# KiCad board badge.kicad_pcb (continued)
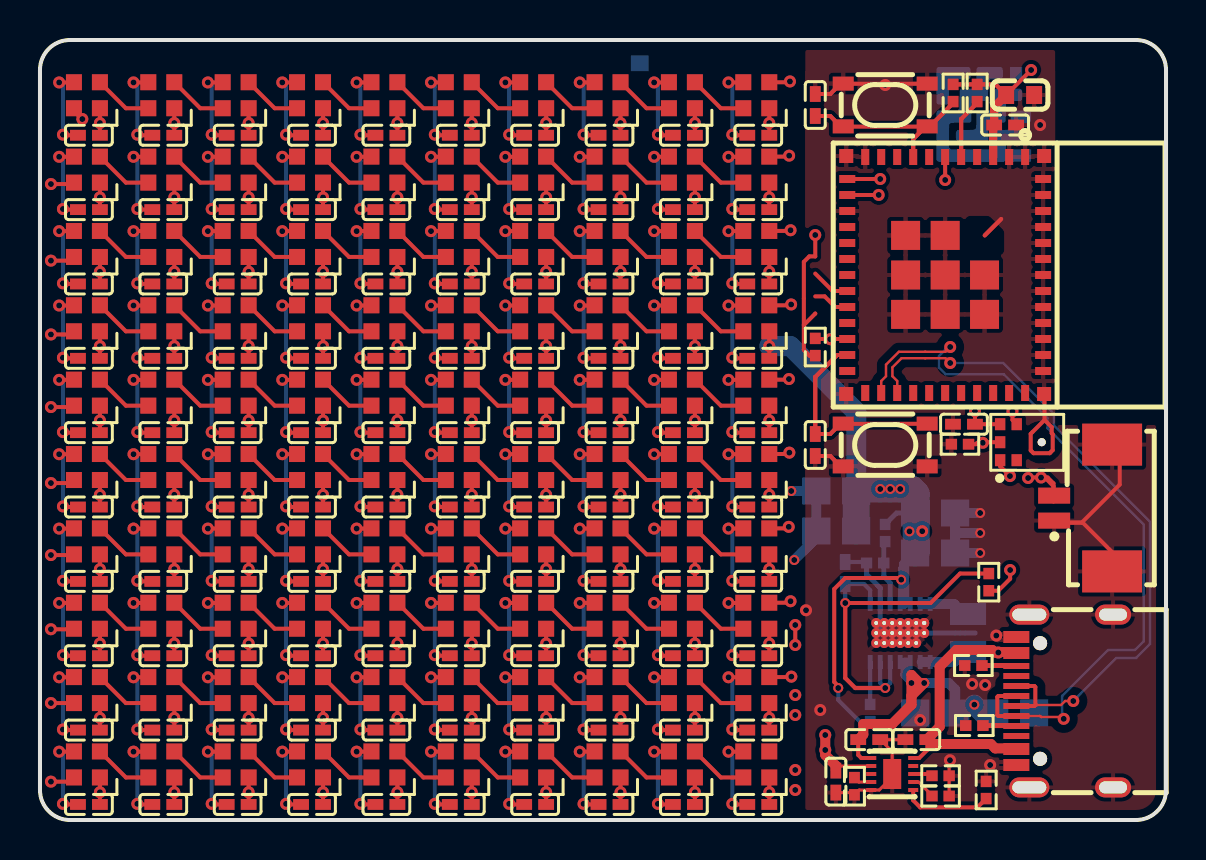
[diagram p0: board, top side]
## Routing (per net, layer and track width the routed paths; a pad name or vN(x,y) marks a point on that pad's centre or on a via; arc(x,y) is an arc through that point)
gnd: length 477.9
  Top w0.15: C114.2 C115.2 42.64,3.42 U5.11 42.64,2.15 41.99,1.5 U5.5 40.99,1.5 R11.2 40.64,1.37 C113.2 ; R12.2 R4.2 45.49,2.95 v1(45.53,2.99)
  Top w0.2: v1(19.75,0.81) 19.78,0.78 C100.2 ; v1(0.96,7.14) 1.69,7.14 LED81.3 ; C26.2 4.9,26.8 v1(4.87,26.83) ; LED38.3 27.74,25.72 v1(27.01,25.72) ; C68.2 12.34,11.93 v1(12.31,11.96) ; C86.2 4.9,4.5 v1(4.87,4.53) ; LED93.3 9.13,3.42 v1(8.4,3.42) ; C29.2 16.06,26.8 v1(16.03,26.83) ; v1(23.48,19.4) 23.51,19.37 C51.2 ; v1(12.31,8.24) 12.34,8.21 C78.2 ; C88.2 12.34,4.5 v1(12.31,4.53) ; v1(19.75,19.4) 19.78,19.37 C50.2 ; v1(8.59,19.4) 8.62,19.37 C47.2 ; v1(4.87,19.4) 4.9,19.37 C46.2 ; v1(34.64,4.53) 34.67,4.5 C94.2 ; LED21.3 1.69,29.44 v1(0.96,29.44) ; v1(1.15,4.53) 1.18,4.5 C85.2 ; LED75.3 16.57,10.85 v1(15.84,10.85) ; 54.02,12.33 54.02,13.02 52.17,14.87 51.12,14.87 52.12,14.87 54.02,16.77 54.02,18.67 ; LED66.3 20.29,14.57 v1(19.56,14.57) ; LED89.3 31.46,7.14 v1(30.73,7.14) ; C81.2 23.51,8.21 v1(23.48,8.24) ; v1(34.64,8.24) 34.67,8.21 C84.2 ; C55.2 1.18,15.65 v1(1.15,15.68) ; C22.2 27.23,30.52 v1(27.2,30.55) ; LED13.3 9.13,33.16 v1(8.4,33.16) ; v1(4.68,29.44) 5.41,29.44 LED22.3 ; LED50.3 35.18,22.01 v1(34.45,22.01) ; LED48.3 27.74,22.01 v1(27.01,22.01) ; C36.2 4.9,23.08 v1(4.87,23.11) ; C66.2 4.9,11.93 v1(4.87,11.96) ; C27.2 8.62,26.8 v1(8.59,26.83) ; C59.2 16.06,15.65 v1(16.03,15.68) ; C93.2 30.95,4.5 v1(30.92,4.53) ; C9.2 16.06,34.24 v1(16.03,34.27) ; v1(4.68,10.85) 5.41,10.85 LED72.3 ; v1(8.59,15.68) 8.62,15.65 C57.2 ; C53.2 30.95,19.37 v1(30.92,19.4) ; v1(8.59,30.55) 8.62,30.52 C17.2 ; v1(23.48,11.96) 23.51,11.93 C71.2 ; LED73.3 9.13,10.85 v1(8.4,10.85) ; LED43.3 9.13,22.01 v1(8.4,22.01) ; C96.2 4.9,0.78 v1(4.87,0.81) ; LED70.3 35.18,14.57 v1(34.45,14.57) ; v1(19.75,8.24) 19.78,8.21 C80.2 ; v1(19.75,34.27) 19.78,34.24 C10.2 ; v1(1.15,34.27) 1.18,34.24 C5.2 ; v1(1.15,23.11) 1.18,23.08 C35.2 ; v1(19.75,26.83) 19.78,26.8 C30.2 ; v1(34.64,15.68) 34.67,15.65 C64.2 ; 50.26,20 50.62,19.64 U3.3 50.67,19.29 50.67,18.49 U3.3 50.52,18.34 49.71,18.34 U3.3 49.57,18.48 49.57,19.31 U3.3 50.26,20 ; 50.26,20 50.26,21.29 ; C20.2 19.78,30.52 v1(19.75,30.55) ; LED23.3 9.13,29.44 v1(8.4,29.44) ; LED64.3 12.85,14.57 v1(12.12,14.57) ; LED97.3 24.02,3.42 v1(23.29,3.42) ; LED36.3 20.29,25.72 v1(19.56,25.72) ; C14.2 34.67,34.24 v1(34.64,34.27) ; C34.2 34.67,26.8 v1(34.64,26.83) ; LED77.3 24.02,10.85 v1(23.29,10.85) ; 39.54,18.2 C106.1 39.54,18.2 ; 39.54,18.2 40.06,17.68 ; 39.54,18.2 40.06,17.68 ; LED91.3 1.69,3.42 v1(0.96,3.42) ; LED54.3 12.85,18.29 v1(12.12,18.29) ; v1(19.56,22.01) 20.29,22.01 LED46.3 ; v1(34.45,18.29) 35.18,18.29 LED60.3 ; v1(4.68,14.57) 5.41,14.57 LED62.3 ; C83.2 30.95,8.21 v1(30.92,8.24) ; LED79.3 31.46,10.85 v1(30.73,10.85) ; LED11.3 1.69,33.16 v1(0.96,33.16) ; LED14.3 12.85,33.16 v1(12.12,33.16) ; LED39.3 31.46,25.72 v1(30.73,25.72) ; v1(27.01,3.42) 27.74,3.42 LED98.3 ; v1(27.2,4.53) 27.23,4.5 C92.2 ; v1(27.2,19.4) 27.23,19.37 C52.2 ; v1(12.31,34.27) 12.34,34.24 C8.2 ; C38.2 12.34,23.08 v1(12.31,23.11) ; LED100.3 35.18,3.42 v1(34.45,3.42) ; LED80.3 35.18,10.85 v1(34.45,10.85) ; v1(34.45,7.14) 35.18,7.14 LED90.3 ; v1(34.45,36.88) 35.18,36.88 LED10.3 ; v1(8.59,0.81) 8.62,0.78 C97.2 ; C37.2 8.62,23.08 v1(8.59,23.11) ; v1(34.45,29.44) 35.18,29.44 LED30.3 ; C74.2 34.67,11.93 v1(34.64,11.96) ; v1(12.12,36.88) 12.85,36.88 LED4.3 ; v1(27.2,15.68) 27.23,15.65 C62.2 ; v1(16.03,0.81) 16.06,0.78 C99.2 ; 40.06,36.82 39.54,36.3 ; 40.06,36.82 SW2.1 40.06,36.82 ; 40.06,36.82 39.54,36.3 ; 39.54,36.3 C107.1 39.54,36.3 ; v1(12.31,19.4) 12.34,19.37 C48.2 ; LED63.3 9.13,14.57 v1(8.4,14.57) ; v1(0.96,25.72) 1.69,25.72 LED31.3 ; v1(30.92,0.81) 30.95,0.78 C103.2 ; v1(19.56,33.16) 20.29,33.16 LED16.3 ; v1(16.03,8.24) 16.06,8.21 C79.2 ; v1(12.12,22.01) 12.85,22.01 LED44.3 ; LED57.3 24.02,18.29 v1(23.29,18.29) ; LED5.3 16.57,36.88 v1(15.84,36.88) ; C28.2 12.34,26.8 v1(12.31,26.83) ; v1(12.12,10.85) 12.85,10.85 LED74.3 ; v1(12.12,3.42) 12.85,3.42 LED94.3 ; v1(19.56,36.88) 20.29,36.88 LED6.3 ; LED83.3 9.13,7.14 v1(8.4,7.14) ; v1(0.96,18.29) 1.69,18.29 LED51.3 ; LED29.3 31.46,29.44 v1(30.73,29.44) ; C24.2 34.67,30.52 v1(34.64,30.55) ; LED7.3 24.02,36.88 v1(23.29,36.88) ; LED34.3 12.85,25.72 v1(12.12,25.72) ; v1(30.73,22.01) 31.46,22.01 LED49.3 ; v1(4.87,8.24) 4.9,8.21 C76.2 ; v1(0.96,10.85) 1.69,10.85 LED71.3 ; C31.2 23.51,26.8 v1(23.48,26.83) ; LED32.3 5.41,25.72 v1(4.68,25.72) ; C75.2 1.18,8.21 v1(1.15,8.24) ; C40.2 19.78,23.08 v1(19.75,23.11) ; v1(27.01,29.44) 27.74,29.44 LED28.3 ; v1(23.29,29.44) 24.02,29.44 LED27.3 ; LED59.3 31.46,18.29 v1(30.73,18.29) ; v1(4.68,22.01) 5.41,22.01 LED42.3 ; LED87.3 24.02,7.14 v1(23.29,7.14) ; v1(23.29,22.01) 24.02,22.01 LED47.3 ; v1(8.59,34.27) 8.62,34.24 C7.2 ; v1(30.73,33.16) 31.46,33.16 LED19.3 ; LED41.3 1.69,22.01 v1(0.96,22.01) ; LED40.3 35.18,25.72 v1(34.45,25.72) ; C43.2 30.95,23.08 v1(30.92,23.11) ; v1(8.59,11.96) 8.62,11.93 C67.2 ; v1(8.4,18.29) 9.13,18.29 LED53.3 ; v1(12.12,29.44) 12.85,29.44 LED24.3 ; v1(15.84,29.44) 16.57,29.44 LED25.3 ; v1(30.92,26.83) 30.95,26.8 C33.2 ; LED52.3 5.41,18.29 v1(4.68,18.29) ; v1(12.31,0.81) 12.34,0.78 C98.2 ; v1(4.68,33.16) 5.41,33.16 LED12.3 ; v1(15.84,3.42) 16.57,3.42 LED95.3 ; C15.2 1.18,30.52 v1(1.15,30.55) ; v1(16.03,30.55) 16.06,30.52 C19.2 ; v1(19.56,18.29) 20.29,18.29 LED56.3 ; C95.2 1.18,0.78 v1(1.15,0.81) ; v1(0.96,14.57) 1.69,14.57 LED61.3 ; v1(15.84,18.29) 16.57,18.29 LED55.3 ; v1(8.4,36.88) 9.13,36.88 LED3.3 ; C73.2 30.95,11.93 v1(30.92,11.96) ; v1(19.56,29.44) 20.29,29.44 LED26.3 ; v1(23.48,15.68) 23.51,15.65 C61.2 ; C42.2 27.23,23.08 v1(27.2,23.11) ; v1(30.73,3.42) 31.46,3.42 LED99.3 ; LED58.3 27.74,18.29 v1(27.01,18.29) ; 40.06,17.68 SW1.2 40.06,17.68 ; v1(8.59,4.53) 8.62,4.5 C87.2 ; v1(27.2,0.81) 27.23,0.78 C102.2 ; v1(30.92,34.27) 30.95,34.24 C13.2 ; v1(16.03,4.53) 16.06,4.5 C89.2 ; LED2.3 5.41,36.88 v1(4.68,36.88) ; v1(4.68,3.42) 5.41,3.42 LED92.3 ; v1(27.2,26.83) 27.23,26.8 C32.2 ; LED96.3 20.29,3.42 v1(19.56,3.42) ; 50.13,15.15 50.6,15.15 ; C58.2 12.34,15.65 v1(12.31,15.68) ; C90.2 19.78,4.5 v1(19.75,4.53) ; v1(27.2,8.24) 27.23,8.21 C82.2 ; C91.2 23.51,4.5 v1(23.48,4.53) ; v1(23.48,0.81) 23.51,0.78 C101.2 ; v1(30.92,15.68) 30.95,15.65 C63.2 ; C44.2 34.67,23.08 v1(34.64,23.11) ; C11.2 23.51,34.24 v1(23.48,34.27) ; C18.2 12.34,30.52 v1(12.31,30.55) ; v1(16.03,19.4) 16.06,19.37 C49.2 ; v1(15.84,33.16) 16.57,33.16 LED15.3 ; C12.2 27.23,34.24 v1(27.2,34.27) ; C21.2 23.51,30.52 v1(23.48,30.55) ; v1(4.87,34.27) 4.9,34.24 C6.2 ; LED20.3 35.18,33.16 v1(34.45,33.16) ; v1(27.2,11.96) 27.23,11.93 C72.2 ; LED84.3 12.85,7.14 v1(12.12,7.14) ; LED18.3 27.74,33.16 v1(27.01,33.16) ; C69.2 16.06,11.93 v1(16.03,11.96) ; LED68.3 27.74,14.57 v1(27.01,14.57) ; v1(30.73,36.88) 31.46,36.88 LED9.3 ; v1(8.59,8.24) 8.62,8.21 C77.2 ; C54.2 34.67,19.37 v1(34.64,19.4) ; v1(8.4,25.72) 9.13,25.72 LED33.3 ; C39.2 16.06,23.08 v1(16.03,23.11) ; v1(23.48,23.11) 23.51,23.08 C41.2 ; C25.2 1.18,26.8 v1(1.15,26.83) ; LED37.3 24.02,25.72 v1(23.29,25.72) ; LED78.3 27.74,10.85 v1(27.01,10.85) ; C23.2 30.95,30.52 v1(30.92,30.55) ; v1(15.84,25.72) 16.57,25.72 LED35.3 ; C16.2 4.9,30.52 v1(4.87,30.55) ; v1(15.84,22.01) 16.57,22.01 LED45.3 ; LED17.3 24.02,33.16 v1(23.29,33.16) ; LED69.3 31.46,14.57 v1(30.73,14.57) ; LED65.3 16.57,14.57 v1(15.84,14.57) ; v1(34.64,0.81) 34.67,0.78 C104.2 ; v1(19.56,7.14) 20.29,7.14 LED86.3 ; LED8.3 27.74,36.88 v1(27.01,36.88) ; v1(0.96,36.88) 1.69,36.88 LED1.3 ; v1(15.84,7.14) 16.57,7.14 LED85.3 ; v1(23.29,14.57) 24.02,14.57 LED67.3 ; v1(27.01,7.14) 27.74,7.14 LED88.3 ; C65.2 1.18,11.93 v1(1.15,11.96) ; C60.2 19.78,15.65 v1(19.75,15.68) ; C56.2 4.9,15.65 v1(4.87,15.68) ; C45.2 1.18,19.37 v1(1.15,19.4) ; C70.2 19.78,11.93 v1(19.75,11.96) ; 40.21,36.81 44.41,36.81 ; v1(4.68,7.14) 5.41,7.14 LED82.3 ; LED76.3 20.29,10.85 v1(19.56,10.85) ; U4.49 48.09,30.05 U4.49
  Bottom w0.2: v1(12.31,23.11) 12.31,25.53 v1(12.12,25.72) ; v1(30.92,4.53) 30.92,6.95 v1(30.73,7.14) ; v1(27.2,4.53) 27.2,6.95 v1(27.01,7.14) ; v1(23.48,15.68) 23.48,18.1 v1(23.29,18.29) ; v1(8.4,10.85) 8.59,10.66 v1(8.59,8.24) ; v1(27.2,30.55) 27.2,32.97 v1(27.01,33.16) ; v1(8.59,19.4) 8.59,21.82 v1(8.4,22.01) ; v1(16.03,26.83) 16.03,29.25 v1(15.84,29.44) ; v1(30.92,26.83) 30.92,29.25 v1(30.73,29.44) ; v1(23.29,14.57) 23.48,14.38 v1(23.48,11.96) ; v1(8.59,11.96) 8.59,14.38 v1(8.4,14.57) ; v1(19.75,30.55) 19.75,32.97 v1(19.56,33.16) ; v1(4.87,34.27) 4.87,36.69 v1(4.68,36.88) ; v1(19.56,22.01) 19.75,21.82 v1(19.75,19.4) ; v1(23.29,33.16) 23.48,32.97 v1(23.48,30.55) ; v1(30.73,18.29) 30.92,18.1 v1(30.92,15.68) ; v1(8.59,34.27) 8.59,36.69 v1(8.4,36.88) ; v1(1.15,19.4) 1.15,21.82 v1(0.96,22.01) ; v1(1.15,15.68) 1.15,18.1 v1(0.96,18.29) ; v1(34.64,4.53) 34.64,6.95 v1(34.45,7.14) ; v1(23.29,7.14) 23.48,6.95 v1(23.48,4.53) ; v1(1.15,11.96) 1.15,14.38 v1(0.96,14.57) ; v1(34.45,3.42) 34.64,3.23 v1(34.64,0.81) ; v1(12.12,36.88) 12.31,36.69 v1(12.31,34.27) ; v1(16.03,30.55) 16.03,32.97 v1(15.84,33.16) ; v1(34.45,10.85) 34.64,10.66 v1(34.64,8.24) ; v1(19.56,29.44) 19.75,29.25 v1(19.75,26.83) ; v1(4.68,29.44) 4.87,29.25 v1(4.87,26.83) ; v1(8.59,26.83) 8.59,29.25 v1(8.4,29.44) ; v1(8.4,18.29) 8.59,18.1 v1(8.59,15.68) ; v1(12.12,29.44) 12.31,29.25 v1(12.31,26.83) ; v1(19.56,10.85) 19.75,10.66 v1(19.75,8.24) ; v1(4.87,0.81) 4.87,3.23 v1(4.68,3.42) ; v1(27.2,26.83) 27.2,29.25 v1(27.01,29.44) ; v1(12.31,30.55) 12.31,32.97 v1(12.12,33.16) ; v1(27.2,23.11) 27.2,25.53 v1(27.01,25.72) ; v1(19.56,14.57) 19.75,14.38 v1(19.75,11.96) ; v1(12.12,10.85) 12.31,10.66 v1(12.31,8.24) ; v1(0.96,3.42) 1.15,3.23 v1(1.15,0.81) ; v1(0.96,7.14) 1.15,6.95 v1(1.15,4.53) ; v1(27.01,36.88) 27.2,36.69 v1(27.2,34.27) ; v1(27.2,11.96) 27.2,14.38 v1(27.01,14.57) ; v1(16.03,8.24) 16.03,10.66 v1(15.84,10.85) ; v1(34.64,34.27) 34.64,36.69 v1(34.45,36.88) ; v1(4.68,22.01) 4.87,21.82 v1(4.87,19.4) ; v1(1.15,34.27) 1.15,36.69 v1(0.96,36.88) ; v1(15.84,14.57) 16.03,14.38 v1(16.03,11.96) ; v1(8.59,4.53) 8.59,6.95 v1(8.4,7.14) ; v1(15.84,22.01) 16.03,21.82 v1(16.03,19.4) ; v1(27.2,19.4) 27.2,21.82 v1(27.01,22.01) ; v1(27.01,10.85) 27.2,10.66 v1(27.2,8.24) ; v1(34.64,19.4) 34.64,21.82 v1(34.45,22.01) ; v1(4.87,15.68) 4.87,18.1 v1(4.68,18.29) ; v1(30.73,10.85) 30.92,10.66 v1(30.92,8.24) ; v1(15.84,36.88) 16.03,36.69 v1(16.03,34.27) ; v1(12.12,3.42) 12.31,3.23 v1(12.31,0.81) ; v1(34.64,11.96) 34.64,14.38 v1(34.45,14.57) ; v1(30.92,0.81) 30.92,3.23 v1(30.73,3.42) ; v1(27.01,3.42) 27.2,3.23 v1(27.2,0.81) ; v1(23.29,22.01) 23.48,21.82 v1(23.48,19.4) ; v1(0.96,29.44) 1.15,29.25 v1(1.15,26.83) ; v1(8.59,0.81) 8.59,3.23 v1(8.4,3.42) ; v1(4.68,10.85) 4.87,10.66 v1(4.87,8.24) ; v1(4.87,4.53) 4.87,6.95 v1(4.68,7.14) ; v1(30.92,19.4) 30.92,21.82 v1(30.73,22.01) ; v1(34.45,18.29) 34.64,18.1 v1(34.64,15.68) ; v1(23.29,10.85) 23.48,10.66 v1(23.48,8.24) ; v1(23.29,3.42) 23.48,3.23 v1(23.48,0.81) ; v1(12.31,4.53) 12.31,6.95 v1(12.12,7.14) ; v1(19.75,34.27) 19.75,36.69 v1(19.56,36.88) ; v1(23.48,23.11) 23.48,25.53 v1(23.29,25.72) ; v1(4.68,25.72) 4.87,25.53 v1(4.87,23.11) ; v1(19.56,25.72) 19.75,25.53 v1(19.75,23.11) ; v1(12.12,14.57) 12.31,14.38 v1(12.31,11.96) ; v1(8.4,33.16) 8.59,32.97 v1(8.59,30.55) ; v1(30.73,36.88) 30.92,36.69 v1(30.92,34.27) ; v1(8.59,23.11) 8.59,25.53 v1(8.4,25.72) ; v1(19.75,4.53) 19.75,6.95 v1(19.56,7.14) ; v1(16.03,23.11) 16.03,25.53 v1(15.84,25.72) ; v1(12.12,22.01) 12.31,21.82 v1(12.31,19.4) ; v1(16.03,15.68) 16.03,18.1 v1(15.84,18.29) ; v1(0.96,25.72) 1.15,25.53 v1(1.15,23.11) ; v1(27.01,18.29) 27.2,18.1 v1(27.2,15.68) ; v1(30.92,30.55) 30.92,32.97 v1(30.73,33.16) ; v1(34.45,33.16) 34.64,32.97 v1(34.64,30.55) ; v1(15.84,7.14) 16.03,6.95 v1(16.03,4.53) ; v1(16.03,0.81) 16.03,3.23 v1(15.84,3.42) ; v1(4.68,14.57) 4.87,14.38 v1(4.87,11.96) ; v1(23.48,34.27) 23.48,36.69 v1(23.29,36.88) ; v1(4.87,30.55) 4.87,32.97 v1(4.68,33.16) ; v1(34.45,25.72) 34.64,25.53 v1(34.64,23.11) ; v1(1.15,30.55) 1.15,32.97 v1(0.96,33.16) ; v1(34.45,29.44) 34.64,29.25 v1(34.64,26.83) ; v1(23.48,26.83) 23.48,29.25 v1(23.29,29.44) ; v1(0.96,10.85) 1.15,10.66 v1(1.15,8.24) ; v1(30.92,23.11) 30.92,25.53 v1(30.73,25.72) ; v1(30.73,14.57) 30.92,14.38 v1(30.92,11.96) ; v1(19.56,3.42) 19.75,3.23 v1(19.75,0.81) ; v1(12.12,18.29) 12.31,18.1 v1(12.31,15.68) ; v1(19.75,15.68) 19.75,18.1 v1(19.56,18.29)
  Bottom w0.21: R1.2 41.31,12.9 C112.2
  Bottom w0.25: R1.2 41.36,12.28 42.04,11.6 U6.2 42.04,9.35 U6.15 46.79,9.35
  Bottom w0.5: v2(47.04,15.35) C110.2 C111.2 v2(47.04,13.35) ; v2(37.74,13) 38.84,14.1 C3.2 C4.2 v2(37.59,16.45) ; 45.79,14.35 v2(47.04,14.35)
  vias: v1(38.33,10.49) v1(39.04,5.5) v1(42.29,36.75) v1(44.04,5) v1(46.64,6.8) v1(47.29,6.75) v1(47.54,2.75) v1(47.85,9.22) v1(50.04,34.75)
VCC: length 19.6
  Top w0.2: R6.1 46.03,12.32 44.56,10.85 v2(40.29,10.85)
  Top w0.21: v2(42.29,6.6) 40.79,6.6 40.29,7.1 v2(40.29,10.85)
  Bottom w0.21: U6.1 41.54,11.49 41.23,11.8 C112.1 v2(40.29,10.85) ; U6.13 42.04,6.85 v2(42.29,6.6) 42.54,6.85 U6.12
A5: length 1.6
  Top w0.25: USB1.A5 48.83,4.72 47.26,4.72
B5: length 1.6
  Top w0.25: 47.21,7.72 48.83,7.72 USB1.B5
data_1: length 6.2
  Top w0.2: 46.89,35.85 46.09,35.05 ; 46.89,35.85 R7.1 46.89,35.85 ; 46.89,35.85 46.09,35.05 ; 46.09,35.05 U4.5 46.09,35.05
data_2: length 2
  Top w0.2: 38.79,27.32 39.66,26.45 U4.19
data_3: length 0
  Top w0.2: 40.42,27.25 40.41,27.24
i2s_sck: length 17.3
  Top w0.2: v1(42.04,32.05) U4.12 ; U3.4 48.66,20 v1(48.66,20.44)
  In1.Cu w0.2: v1(42.04,32.05) 42.99,32.05 45.31,29.73 45.31,27.23 48.66,23.88 v1(48.66,20.44)
i2s_sd: length 17.7
  Top w0.2: U3.6 47.33,18.89 47.3,18.86 v1(47.17,18.86) 46.9,18.86 46.83,18.79 R5.1 ; U4.13 41.77,31.25 41.77,31.25 v1(41.96,31.25)
  In1.Cu w0.2: v1(47.17,18.86) 46.97,19.06 46.97,19.07 43.94,22.1 43.94,23.67 42.49,25.12 42.49,25.5 42.02,25.97 42.02,31.2 v1(41.96,31.25)
i2s_ws: length 19.3
  Top w0.2: v1(48.53,17.2) 48.04,17.69 U3.1 ; U4.6 v1(45.29,32)
  In1.Cu w0.2: v1(45.29,32) 49.79,27.5 49.79,20.25 48.53,18.99 v1(48.53,17.2)
ILIM_VSET: length 1.2
  Top w0.15: R12.1 44.63,1.23 43.96,1.9 U5.7
ISET: length 1
  Top w0.2: U5.8 44.42,2.3 44.58,2.14
L1: length 2.5
  Bottom w0.5: L1.1 46.24,8.4 45.74,7.9 44.12,7.9
L2: length 2.5
  Bottom w0.5: 44.12,10.8 U6.7 45.74,10.8 46.24,10.3 L1.2
led_data: length 54.9
  Top w0.2: 38.82,24.05 R8.1 38.82,24.05 ; 38.82,24.05 U4.22 38.82,24.05 ; LED1.4 1.7,35.44 2.09,35.05 v1(2.12,35.05)
  In1.Cu w0.2: v1(2.12,35.05) 2.92,35.85 35.6,35.85 37.27,37.53 37.77,37.53 39.54,35.76 v1(39.54,24.04)
leds[1]-data_in-DIN-0: length 3
  Top w0.2: LED1.2 4.3,35.59 LED2.4
leds[1]-data_in-DIN-1: length 3
  Top w0.2: LED11.2 4.3,31.87 LED12.4
leds[1]-data_in-DIN-2: length 3
  Top w0.2: LED22.4 4.3,28.15 LED21.2
leds[1]-data_in-DIN-3: length 3
  Top w0.2: LED32.4 4.3,24.43 LED31.2
leds[1]-data_in-DIN-4: length 3
  Top w0.2: LED42.4 4.3,20.72 LED41.2
leds[1]-data_in-DIN-5: length 3
  Top w0.2: LED52.4 4.3,17 LED51.2
leds[1]-data_in-DIN-6: length 3
  Top w0.2: LED62.4 4.3,13.28 LED61.2
leds[1]-data_in-DIN-7: length 3
  Top w0.2: LED72.4 4.3,9.56 LED71.2
leds[1]-data_in-DIN-8: length 3
  Top w0.2: LED81.2 4.3,5.85 LED82.4
leds[1]-data_in-DIN-9: length 3
  Top w0.2: LED91.2 4.3,2.13 LED92.4
leds[2]-data_in-DIN-0: length 3
  Top w0.2: LED2.2 8.02,35.59 LED3.4
leds[2]-data_in-DIN-1: length 3
  Top w0.2: LED12.2 8.02,31.87 LED13.4
leds[2]-data_in-DIN-2: length 3
  Top w0.2: LED22.2 8.02,28.15 LED23.4
leds[2]-data_in-DIN-3: length 3
  Top w0.2: LED32.2 8.02,24.43 LED33.4
leds[2]-data_in-DIN-4: length 3
  Top w0.2: LED42.2 8.02,20.72 LED43.4
leds[2]-data_in-DIN-5: length 3
  Top w0.2: LED52.2 8.02,17 LED53.4
leds[2]-data_in-DIN-6: length 3
  Top w0.2: LED62.2 8.02,13.28 LED63.4
leds[2]-data_in-DIN-7: length 3
  Top w0.2: LED72.2 8.02,9.56 LED73.4
leds[2]-data_in-DIN-8: length 3
  Top w0.2: LED83.4 8.02,5.85 LED82.2
leds[2]-data_in-DIN-9: length 3
  Top w0.2: LED92.2 8.02,2.13 LED93.4
leds[3]-data_in-DIN-0: length 3
  Top w0.2: LED3.2 11.74,35.59 LED4.4
leds[3]-data_in-DIN-1: length 3
  Top w0.2: LED14.4 11.74,31.87 LED13.2
leds[3]-data_in-DIN-2: length 3
  Top w0.2: LED23.2 11.74,28.15 LED24.4
leds[3]-data_in-DIN-3: length 3
  Top w0.2: LED33.2 11.74,24.43 LED34.4
leds[3]-data_in-DIN-4: length 3
  Top w0.2: LED43.2 11.74,20.72 LED44.4
leds[3]-data_in-DIN-5: length 3
  Top w0.2: LED54.4 11.74,17 LED53.2
leds[3]-data_in-DIN-6: length 3
  Top w0.2: LED63.2 11.74,13.28 LED64.4
leds[3]-data_in-DIN-7: length 3
  Top w0.2: LED74.4 11.74,9.56 LED73.2
leds[3]-data_in-DIN-8: length 3
  Top w0.2: LED84.4 11.74,5.85 LED83.2
leds[3]-data_in-DIN-9: length 3
  Top w0.2: LED94.4 11.74,2.13 LED93.2
leds[4]-data_in-DIN-0: length 3
  Top w0.2: LED4.2 15.46,35.59 LED5.4
leds[4]-data_in-DIN-1: length 3
  Top w0.2: LED14.2 15.46,31.87 LED15.4
leds[4]-data_in-DIN-2: length 3
  Top w0.2: LED24.2 15.46,28.15 LED25.4
leds[4]-data_in-DIN-3: length 3
  Top w0.2: LED34.2 15.46,24.43 LED35.4
leds[4]-data_in-DIN-4: length 3
  Top w0.2: LED44.2 15.46,20.72 LED45.4
leds[4]-data_in-DIN-5: length 3
  Top w0.2: LED54.2 15.46,17 LED55.4
leds[4]-data_in-DIN-6: length 3
  Top w0.2: LED64.2 15.46,13.28 LED65.4
leds[4]-data_in-DIN-7: length 3
  Top w0.2: LED74.2 15.46,9.56 LED75.4
leds[4]-data_in-DIN-8: length 3
  Top w0.2: LED84.2 15.46,5.85 LED85.4
leds[4]-data_in-DIN-9: length 3
  Top w0.2: LED94.2 15.46,2.13 LED95.4
leds[5]-data_in-DIN-0: length 3
  Top w0.2: LED5.2 19.18,35.59 LED6.4
leds[5]-data_in-DIN-1: length 3
  Top w0.2: LED16.4 19.18,31.87 LED15.2
leds[5]-data_in-DIN-2: length 3
  Top w0.2: LED25.2 19.18,28.15 LED26.4
leds[5]-data_in-DIN-3: length 3
  Top w0.2: LED36.4 19.18,24.43 LED35.2
leds[5]-data_in-DIN-4: length 3
  Top w0.2: LED45.2 19.18,20.72 LED46.4
leds[5]-data_in-DIN-5: length 3
  Top w0.2: LED55.2 19.18,17 LED56.4
leds[5]-data_in-DIN-6: length 3
  Top w0.2: LED65.2 19.18,13.28 LED66.4
leds[5]-data_in-DIN-7: length 3
  Top w0.2: LED75.2 19.18,9.56 LED76.4
leds[5]-data_in-DIN-8: length 3
  Top w0.2: LED85.2 19.18,5.85 LED86.4
leds[5]-data_in-DIN-9: length 3
  Top w0.2: LED95.2 19.18,2.13 LED96.4
leds[6]-data_in-DIN-0: length 3
  Top w0.2: LED6.2 22.9,35.59 LED7.4
leds[6]-data_in-DIN-1: length 3
  Top w0.2: LED17.4 22.9,31.87 LED16.2
leds[6]-data_in-DIN-2: length 3
  Top w0.2: LED26.2 22.9,28.15 LED27.4
leds[6]-data_in-DIN-3: length 3
  Top w0.2: LED36.2 22.9,24.43 LED37.4
leds[6]-data_in-DIN-4: length 3
  Top w0.2: LED47.4 22.9,20.72 LED46.2
leds[6]-data_in-DIN-5: length 3
  Top w0.2: LED57.4 22.9,17 LED56.2
leds[6]-data_in-DIN-6: length 3
  Top w0.2: LED67.4 22.9,13.28 LED66.2
leds[6]-data_in-DIN-7: length 3
  Top w0.2: LED76.2 22.9,9.56 LED77.4
leds[6]-data_in-DIN-8: length 3
  Top w0.2: LED86.2 22.9,5.85 LED87.4
leds[6]-data_in-DIN-9: length 3
  Top w0.2: LED96.2 22.9,2.13 LED97.4
leds[7]-data_in-DIN-0: length 3
  Top w0.2: LED7.2 26.63,35.59 LED8.4
leds[7]-data_in-DIN-1: length 3
  Top w0.2: LED18.4 26.63,31.87 LED17.2
leds[7]-data_in-DIN-2: length 3
  Top w0.2: LED28.4 26.63,28.15 LED27.2
leds[7]-data_in-DIN-3: length 3
  Top w0.2: LED38.4 26.63,24.43 LED37.2
leds[7]-data_in-DIN-4: length 3
  Top w0.2: LED48.4 26.63,20.72 LED47.2
leds[7]-data_in-DIN-5: length 3
  Top w0.2: LED57.2 26.63,17 LED58.4
leds[7]-data_in-DIN-6: length 3
  Top w0.2: LED68.4 26.63,13.28 LED67.2
leds[7]-data_in-DIN-7: length 3
  Top w0.2: LED77.2 26.63,9.56 LED78.4
leds[7]-data_in-DIN-8: length 3
  Top w0.2: LED88.4 26.63,5.85 LED87.2
leds[7]-data_in-DIN-9: length 3
  Top w0.2: LED97.2 26.63,2.13 LED98.4
leds[8]-data_in-DIN-0: length 3
  Top w0.2: LED8.2 30.35,35.59 LED9.4
leds[8]-data_in-DIN-1: length 3
  Top w0.2: LED18.2 30.35,31.87 LED19.4
leds[8]-data_in-DIN-2: length 3
  Top w0.2: LED29.4 30.35,28.15 LED28.2
leds[8]-data_in-DIN-3: length 3
  Top w0.2: LED38.2 30.35,24.43 LED39.4
leds[8]-data_in-DIN-4: length 3
  Top w0.2: LED48.2 30.35,20.72 LED49.4
leds[8]-data_in-DIN-5: length 3
  Top w0.2: LED58.2 30.35,17 LED59.4
leds[8]-data_in-DIN-6: length 3
  Top w0.2: LED69.4 30.35,13.28 LED68.2
leds[8]-data_in-DIN-7: length 3
  Top w0.2: LED79.4 30.35,9.56 LED78.2
leds[8]-data_in-DIN-8: length 3
  Top w0.2: LED89.4 30.35,5.85 LED88.2
leds[8]-data_in-DIN-9: length 3
  Top w0.2: LED98.2 30.35,2.13 LED99.4
leds[9]-data_in-DIN-0: length 3
  Top w0.2: LED10.4 34.07,35.59 LED9.2
leds[9]-data_in-DIN-1: length 3
  Top w0.2: LED19.2 34.07,31.87 LED20.4
leds[9]-data_in-DIN-2: length 3
  Top w0.2: LED30.4 34.07,28.15 LED29.2
leds[9]-data_in-DIN-3: length 3
  Top w0.2: LED39.2 34.07,24.43 LED40.4
leds[9]-data_in-DIN-4: length 3
  Top w0.2: LED49.2 34.07,20.72 LED50.4
leds[9]-data_in-DIN-5: length 3
  Top w0.2: LED59.2 34.07,17 LED60.4
leds[9]-data_in-DIN-6: length 3
  Top w0.2: LED70.4 34.07,13.28 LED69.2
leds[9]-data_in-DIN-7: length 3
  Top w0.2: LED80.4 34.07,9.56 LED79.2
leds[9]-data_in-DIN-8: length 3
  Top w0.2: LED90.4 34.07,5.85 LED89.2
leds[9]-data_in-DIN-9: length 3
  Top w0.2: LED100.4 34.07,2.13 LED99.2
N_TRST: length 14.9
  Top w0.2: 44.32,34.68 43.69,34.05 ; 44.32,34.68 SW2.4 ; 44.32,34.68 43.69,34.05 ; 44.32,34.68 SW2.4 ; 43.69,34.05 U4.8 43.69,34.05 ; 44.52,34.68 SW2.4 ; 44.52,34.68 45.69,35.85 ; 44.52,34.68 45.69,35.85 ; 44.52,34.68 SW2.4 ; 39.54,35.2 C107.2 39.54,35.2 ; 39.54,35.2 40.06,34.68 ; 39.54,35.2 40.06,34.68 ; 45.69,35.85 R15.2 45.69,35.85 ; 40.21,34.67 44.41,34.67 ; 40.06,34.68 SW2.3 40.06,34.68
nCE: length 0.9
  Top w0.15: R11.1 40.97,1.9 U5.4
output: length 17.2
  Top w0.2: 40.06,19.82 39.54,19.3 ; 40.06,19.82 SW1.4 40.06,19.82 ; 40.06,19.82 39.54,19.3 ; 39.54,19.3 C106.2 ; 39.54,19.3 C106.2 ; 38.79,22.15 C106.2 ; 38.79,22.15 39.89,23.25 ; 38.79,22.15 C106.2 ; 38.79,22.15 39.89,23.25 ; 39.89,23.25 U4.23 39.89,23.25 ; 40.21,19.81 44.41,19.81
PG: length 2.1
  Bottom w0.21: R3.1 U6.14
power_3v3: length 197.7
  Top w0.2: C28.1 v1(14.16,27.41) LED24.1 ; LED83.1 v1(10.44,5.11) C87.1 ; LED99.1 v1(32.77,1.39) C103.1 ; C55.1 v1(3,16.26) LED51.1 ; C40.1 v1(21.6,23.69) LED36.1 ; v2(39.94,6.6) 39.94,6.7 39.74,6.9 39.74,11.55 40.29,12.1 43.01,12.1 v2(43.09,12.02) ; LED63.1 v1(10.44,12.54) C67.1 ; C15.1 v1(3,31.13) LED11.1 ; C104.1 v1(36.49,1.39) LED100.1 ; LED38.1 v1(29.05,23.69) C42.1 ; LED28.1 v1(29.05,27.41) C32.1 ; LED67.1 v1(25.33,12.54) C71.1 ; C33.1 v1(32.77,27.41) LED29.1 ; LED84.1 v1(14.16,5.11) C88.1 ; C73.1 v1(32.77,12.54) LED69.1 ; C41.1 v1(25.33,23.69) LED37.1 ; C80.1 v1(21.6,8.82) LED76.1 ; LED23.1 v1(10.44,27.41) C27.1 ; LED16.1 v1(21.6,31.13) C20.1 ; LED48.1 v1(29.05,19.98) C52.1 ; C65.1 v1(3,12.54) LED61.1 ; LED26.1 v1(21.6,27.41) C30.1 ; C22.1 v1(29.05,31.13) LED18.1 ; C8.1 v1(14.16,34.85) LED4.1 ; LED15.1 v1(17.88,31.13) C19.1 ; LED13.1 v1(10.44,31.13) C17.1 ; 38.22,24.75 38.22,27.91 38.49,28.18 38.79,28.18 v1(38.79,29.25) ; 38.22,24.75 38.79,25.32 38.79,25.32 ; 38.22,24.75 38.22,23.5 38.51,23.21 38.81,23.21 ; LED50.1 v1(36.49,19.98) C54.1 ; LED55.1 v1(17.88,16.26) C59.1 ; 47.81,36.78 C108.1 47.81,36.78 ; 47.81,36.78 R7.2 ; 47.81,36.78 R7.2 ; LED90.1 v1(36.49,5.11) C94.1 ; LED86.1 v1(21.6,5.11) C90.1 ; C93.1 v1(32.77,5.11) LED89.1 ; C92.1 v1(29.05,5.11) LED88.1 ; C10.1 v1(21.6,34.85) LED6.1 ; LED22.1 v1(6.72,27.41) C26.1 ; LED9.1 v1(32.77,34.85) C13.1 ; LED87.1 v1(25.33,5.11) C91.1 ; LED31.1 v1(3,23.69) C35.1 ; LED44.1 v1(14.16,19.98) C48.1 ; LED58.1 v1(29.05,16.26) C62.1 ; C58.1 v1(14.16,16.26) LED54.1 ; C69.1 v1(17.88,12.54) LED65.1 ; C7.1 v1(10.44,34.85) LED3.1 ; LED59.1 v1(32.77,16.26) C63.1 ; LED68.1 v1(29.05,12.54) C72.1 ; C89.1 v1(17.88,5.11) LED85.1 ; C66.1 v1(6.72,12.54) LED62.1 ; C97.1 v1(10.44,1.39) LED93.1 ; C53.1 v1(32.77,19.98) LED49.1 ; LED43.1 v1(10.44,19.98) C47.1 ; C39.1 v1(17.88,23.69) LED35.1 ; LED42.1 v1(6.72,19.98) C46.1 ; v1(37.79,8.75) v1(37.79,9.75) ; C82.1 v1(29.05,8.82) LED78.1 ; v1(46.78,20.44) C105.1 U3.5 ; LED72.1 v1(6.72,8.82) C76.1 ; LED53.1 v1(10.44,16.26) C57.1 ; LED98.1 v1(29.05,1.39) C102.1 ; LED96.1 v1(21.6,1.39) C100.1 ; C45.1 v1(3,19.98) LED41.1 ; C84.1 v1(36.49,8.82) LED80.1 ; C68.1 v1(14.16,12.54) LED64.1 ; LED91.1 v1(3,1.39) C95.1 ; C50.1 v1(21.6,19.98) LED46.1 ; C60.1 v1(21.6,16.26) LED56.1 ; C29.1 v1(17.88,27.41) LED25.1 ; C98.1 v1(14.16,1.39) LED94.1 ; LED81.1 v1(3,5.11) C85.1 ; C5.1 v1(3,34.85) LED1.1 ; R7.2 R15.1 R7.2 ; C79.1 v1(17.88,8.82) LED75.1 ; C21.1 v1(25.33,31.13) LED17.1 ; LED39.1 v1(32.77,23.69) C43.1 ; LED19.1 v1(32.77,31.13) C23.1 ; C31.1 v1(25.33,27.41) LED27.1 ; C37.1 v1(10.44,23.69) LED33.1 ; C24.1 v1(36.49,31.13) LED20.1 ; LED57.1 v1(25.33,16.26) C61.1 ; C78.1 v1(14.16,8.82) LED74.1 ; LED77.1 v1(25.33,8.82) C81.1 ; LED70.1 v1(36.49,12.54) C74.1 ; LED71.1 v1(3,8.82) C75.1 ; LED8.1 v1(29.05,34.85) C12.1 ; C6.1 v1(6.72,34.85) LED2.1 ; C16.1 v1(6.72,31.13) LED12.1 ; LED60.1 v1(36.49,16.26) C64.1 ; LED5.1 v1(17.88,34.85) C9.1 ; C51.1 v1(25.33,19.98) LED47.1 ; C83.1 v1(32.77,8.82) LED79.1 ; LED7.1 v1(25.33,34.85) C11.1 ; C14.1 v1(36.49,34.85) LED10.1 ; v1(49.59,37.5) 47.74,35.65 ; LED21.1 v1(3,27.41) C25.1 ; C99.1 v1(17.88,1.39) LED95.1 ; C38.1 v1(14.16,23.69) LED34.1 ; C44.1 v1(36.49,23.69) LED40.1 ; C77.1 v1(10.44,8.82) LED73.1 ; LED92.1 v1(6.72,1.39) C96.1 ; C49.1 v1(17.88,19.98) LED45.1 ; LED97.1 v1(25.33,1.39) C101.1 ; LED14.1 v1(14.16,31.13) C18.1 ; LED32.1 v1(6.72,23.69) C36.1 ; C56.1 v1(6.72,16.26) LED52.1 ; LED66.1 v1(21.6,12.54) C70.1 ; C34.1 v1(36.49,27.41) LED30.1 ; LED82.1 v1(6.72,5.11) C86.1
  Top w0.4: 47.69,34.7 C109.1 ; 47.69,34.7 U4.3 47.69,34.7 ; 47.69,34.7 C109.1 ; C109.1 47.74,35.65 ; C109.1 47.74,35.65 ; 47.74,35.65 C108.1 47.74,35.65
  Bottom w0.2: R3.2 41.02,4.92 39.94,6 v2(39.94,6.6) ; C111.1 43.04,12.6 U6.4 U6.5
  Bottom w0.25: C110.1 42.86,15.35 R2.1
  Bottom w0.5: 43.24,10.8 43.24,12.8 C111.1
  Bottom w1: C4.1 40.84,20.4 37.55,23.69 v1(36.49,23.69)
  Bottom w1.35: C111.1 43.84,13.4 43.84,16.3 43.59,16.55 v2(43.04,16.55) v2(42.54,16.55) v2(42.04,16.55) 40.84,16.55 C3.1
  vias: v1(37.79,6.25) v1(37.79,5.25) v1(37.79,2.5) v1(37.79,1.5) v1(44.14,14.44) v2(43.5,14.43)
